# EAGLE board ControlModule-pan2 (EAGLE 7.2.0), part 6 of 9 (continued)
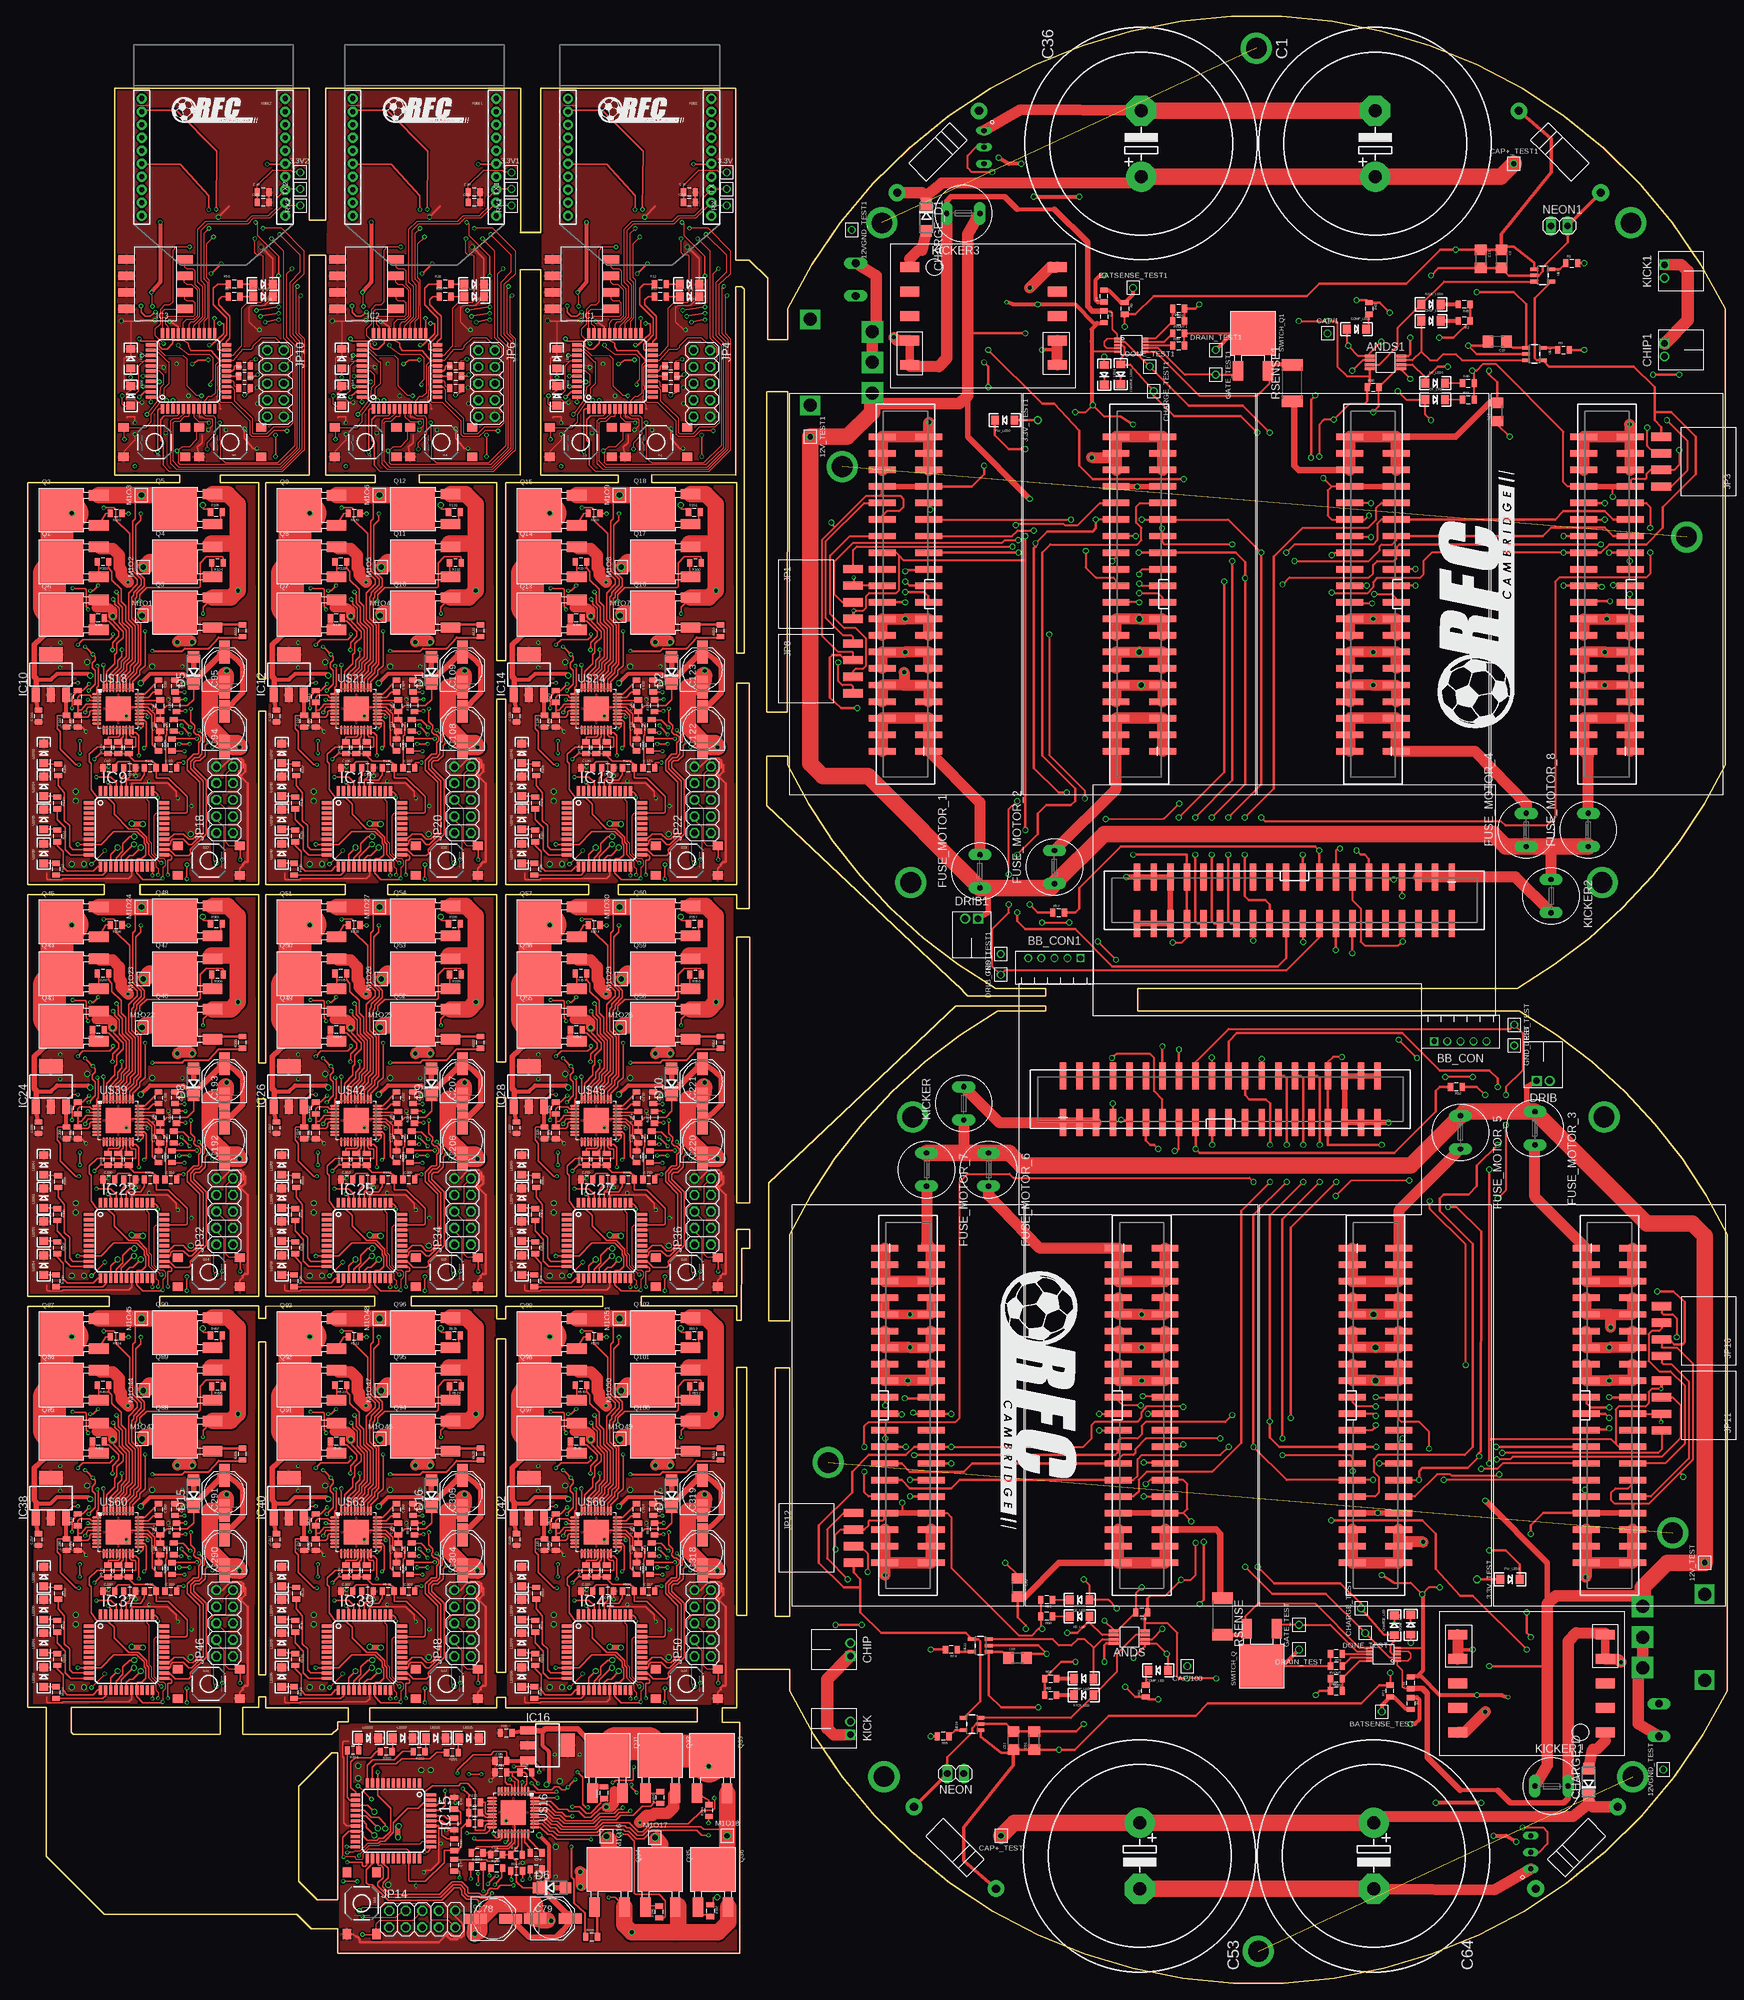
[diagram p0: board, top side]
## Tracks (layer width: path | path; a pad name or v marks a point on that pad's centre or on a via) (continued)
  Top 0.305: 84.98,149.07 84.3,149.07 Q55.SOURCE
  Top 0.813: 84.98,147.96 84.98,149.07 | Q58.DRAIN 95.62,146.85 95.62,146.69 94.08,146.69 93.99,146.77 | 93.47,146.77 93.42,146.82 93.38,146.82 | M1O28.P$1 91.13,147.11 91.36,147.01
  Top 1.422: 84.98,147.96 83.84,147.89 85.85,147.89 86.36,147.44 v86.36,146.64
  Top 2.54: 91.36,147.01 93.71,147 | 93.99,146.77 93.81,146.95 93.71,147 | 93.71,147 93.47,146.77
  Bottom 0.406: JP35.12 86.35,147.66 86.11,147.66 86.5,147.27 86.5,146.14
  Bottom 0.813: JP35.11 93.42,147.6 93.42,146.69 93.26,146.69 93,146.95 93.29,146.95 93.47,146.77 | v86.36,146.64 86.5,146.59 | 86.5,146.59 86.5,146.53 | JP35.14 86.5,146.14 86.5,146.59 | JP35.13 93.63,146.17 93.26,146.53 | 93.47,146.77 93.5,146.79 | 93.47,146.77 90.94,146.77 M1O28.P$1
  Bottom 2.54: 93.42,146.69 93.26,146.53 86.5,146.53
M1O30  (via drill 0.38)
  Top 0.254: U$45.36 86.95,137.39 88.09,138.53 88.09,139.39 88.88,140.18 88.88,144.69 87.84,145.74 87.84,148.02 87.2,148.66 87.2,149.95 v86.94,150.34 | 84.46,157.01 Q56.SOURCE
  Top 0.813: 95.92,154.14 95.93,154.46 Q59.DRAIN | 87.31,156.07 87.31,156.02 87.34,155.99 | M1O29.P$1 91.19,154.27
  Top 1.422: 91.19,154.27 91.29,154.37 91.5,154.37
  Top 1.778: 84.46,157.01 86.37,157.01 87.31,156.07 | 87.34,155.99 87.34,154.09 87.66,153.77 87.66,152.89 v88.74,151.81
  Top 2.54: 91.5,154.37 92.07,154.94 Q59.DRAIN
  Bottom 0.254: JP35.9 94.73,151.44 94.73,151.56 | v86.94,150.34 86.71,150.12 JP35.10 | JP35.8 86.49,152.25 85.89,151.64
  Bottom 0.813: 85.89,151.64 85.89,150.94 JP35.10 | JP35.7 93.63,152.23 94.22,151.64
  Bottom 1.422: M1O29.P$1 91.04,154.12 91.04,152.58 91.35,152.89 92.23,152.89
  Bottom 1.778: v88.74,151.81 88.48,151.64
  Bottom 2.54: 85.89,151.64 88.48,151.64 94.22,151.64 94.65,151.64 94.73,151.56 | JP35.7 92.23,152.89
M1O31  (via drill 0.6)
  Top 0.254: U$45.33 88.45,136.98 89.58,138.11 | 89.58,138.11 89.58,138.12 | 96.57,162.88 96.57,162.96 94.35,165.18 | 89.58,138.11 89.58,138.79 90.25,139.47 90.25,145.24 89.26,146.24 89.26,149.51 89.55,149.81 89.55,150.27 90.73,151.44 90.73,152.27 89.41,153.58 89.41,161.19 89.8,161.58 89.8,163.99 89.93,164.12 90.69,164.12 90.82,164.25 90.82,165.14 M1O30.P$1
  Top 0.813: 94.35,165.18 96.57,165.18 | 96.57,162.88 96.09,162.88 Q60.DRAIN | v98.57,142.66 98.41,142.82
  Top 1.676: 98.41,142.82 96.45,142.82 v96.28,142.66
  Top 2.54: Q57.SOURCE M1O30.P$1 94.35,165.18
  Bottom 0.254: 88.06,142.72 87.82,142.52 85.27,142.52 85.61,142.18 85.61,140.3 86.37,140.3 JP35.18
  Bottom 0.61: 90.69,165.1 M1O30.P$1
  Bottom 0.813: v96.28,142.66 94.15,142.66 | 94.15,142.66 93.69,142.66 JP35.15 | JP35.17 94.5,140.18 94.56,140.25 94.56,140.7 94.53,140.73 | 94.45,142.08 94.45,142.36 94.15,142.66 | JP35.16 85.05,142.72 85,142.64
  Bottom 1.27: v98.57,142.66 99.12,143.21 99.12,143.24 | 88.06,142.72 93.57,142.72 JP35.15
  Bottom 1.422: 85,142.64 85.01,140.85 85.61,140.3
  Bottom 1.778: 99.12,143.24 99.12,143.97 97.99,145.1 97.99,162.02 94.83,165.18 M1O30.P$1 | 94.53,140.73 94.53,142 94.45,142.08
M1O44  (via drill 0.6)
  Top 0.254: U$60.39 12.11,74.93 13.35,76.17 13.35,77.51 13.67,77.82 13.67,79.22 14.62,80.17 14.62,81.09 13.16,82.62 13.11,82.88 13.15,82.88 13.15,82.87 13.15,82.95 | 13.15,82.95 | 13.15,82.95 13.15,83.33 v13.02,83.46
  Top 0.305: 11.64,85.89 10.96,85.89 Q85.SOURCE
  Top 0.813: 11.64,84.78 11.64,85.89 | Q88.DRAIN 22.27,83.66 22.27,83.51 20.73,83.51 20.65,83.59 | 20.13,83.59 20.08,83.64 20.04,83.64 | M1O43.P$1 17.79,83.93 18.02,83.83
  Top 1.422: 11.64,84.78 10.5,84.71 12.5,84.7 13.02,84.25 v13.02,83.46
  Top 2.54: 18.02,83.83 20.37,83.82 | 20.65,83.59 20.47,83.77 20.37,83.82 | 20.37,83.82 20.13,83.59
  Bottom 0.406: JP45.12 13,84.47 12.77,84.47 13.15,84.09 13.15,82.95
  Bottom 0.813: JP45.11 20.08,84.41 20.08,83.51 19.92,83.51 19.66,83.77 19.95,83.77 20.13,83.59 | v13.02,83.46 13.16,83.41 | 13.16,83.41 13.16,83.35 | JP45.14 13.15,82.95 13.16,83.41 | JP45.13 20.29,82.98 19.92,83.35 | 20.13,83.59 20.15,83.61 | 20.13,83.59 17.59,83.59 M1O43.P$1
  Bottom 2.54: 20.08,83.51 19.92,83.35 13.16,83.35
M1O45  (via drill 0.38)
  Top 0.254: U$60.36 13.61,74.21 14.75,75.35 14.75,76.2 15.54,77 15.54,81.51 14.49,82.55 14.49,84.84 13.86,85.47 13.86,86.77 v13.6,87.15 | 11.11,93.82 Q86.SOURCE
  Top 0.813: 22.58,90.96 22.58,91.27 Q89.DRAIN | 13.97,92.88 13.97,92.84 14,92.81 | M1O44.P$1 17.85,91.09
  Top 1.422: 17.85,91.09 17.94,91.18 18.15,91.18
  Top 1.778: 11.11,93.82 13.03,93.82 13.97,92.88 | 14,92.81 14,90.91 14.32,90.59 14.32,89.71 v15.4,88.63
  Top 2.54: 18.15,91.18 18.73,91.76 Q89.DRAIN
  Bottom 0.254: JP45.9 21.39,88.26 21.39,88.38 | v13.6,87.15 13.36,86.94 JP45.10 | JP45.8 13.15,89.07 12.55,88.46
  Bottom 0.813: 12.55,88.46 12.55,87.75 JP45.10 | JP45.7 20.29,89.05 20.88,88.46
  Bottom 1.422: M1O44.P$1 17.7,89.4 18,89.71 18.89,89.71
  Bottom 1.778: v15.4,88.63 15.14,88.46 | 15.14,88.46
  Bottom 2.54: 12.55,88.46 15.14,88.46 20.88,88.46 21.31,88.46 21.39,88.38 | JP45.7 18.89,89.71
M1O46  (via drill 0.6)
  Top 0.254: U$60.33 15.11,73.8 16.24,74.93 | 16.24,74.93 | 23.23,99.7 23.23,99.78 21,102 | 16.24,74.93 16.24,75.61 16.91,76.28 16.91,82.05 15.91,83.05 15.91,86.33 16.21,86.63 16.21,87.08 17.38,88.26 17.38,89.09 16.07,90.4 16.07,98.01 16.46,98.4 16.46,100.81 16.59,100.94 17.35,100.94 17.48,101.06 17.48,101.95 M1O45.P$1
  Top 0.813: 21,102 23.23,102 | 23.23,99.7 22.75,99.7 Q90.DRAIN | v25.23,79.47 v25.23,79.48 25.06,79.64
  Top 1.676: 25.06,79.64 23.1,79.64 v22.94,79.47
  Top 2.54: Q87.SOURCE M1O45.P$1 21,102
  Bottom 0.254: 14.71,79.54 14.48,79.34 11.93,79.34 12.27,79 12.27,77.12 13.02,77.12 JP45.18
  Bottom 0.61: 17.35,101.92 M1O45.P$1
  Bottom 0.813: v22.94,79.47 20.81,79.47 | 20.81,79.47 20.35,79.47 JP45.15 | JP45.17 21.16,77 21.22,77.06 21.22,77.52 21.19,77.55 | 21.11,78.9 21.11,79.17 20.81,79.47 | JP45.16 11.71,79.54 11.65,79.45
  Bottom 1.27: v25.23,79.47 25.78,80.03 25.78,80.05 | 14.71,79.54 20.23,79.54 JP45.15
  Bottom 1.422: 11.65,79.45 11.66,77.67 12.27,77.12
  Bottom 1.778: 25.78,80.05 25.78,80.79 24.65,81.92 24.65,98.84 21.48,102 M1O45.P$1 | 21.19,77.55 21.19,78.82 21.11,78.9
M1O47  (via drill 0.6)
  Top 0.254: U$63.39 48.62,74.93 49.86,76.17 49.86,77.51 50.18,77.82 50.18,79.22 51.13,80.17 51.13,81.09 49.67,82.62 49.62,82.88 49.66,82.88 49.66,82.87 49.66,82.95 49.67,82.95 49.67,83.33 v49.53,83.46
  Top 0.305: 48.15,85.89 47.47,85.89 Q91.SOURCE
  Top 0.813: 48.15,84.78 48.15,85.89 | Q94.DRAIN 58.79,83.66 58.79,83.51 57.25,83.51 57.16,83.59 | 56.64,83.59 56.59,83.64 56.55,83.64 | M1O46.P$1 54.3,83.93 54.53,83.83
  Top 1.422: 48.15,84.78 47.01,84.71 49.02,84.7 49.53,84.25 v49.53,83.46
  Top 2.54: 54.53,83.83 56.88,83.82 | 57.16,83.59 56.98,83.77 56.88,83.82 | 56.88,83.82 56.64,83.59
  Bottom 0.406: JP47.12 49.52,84.47 49.28,84.47 49.67,84.09 49.67,82.95
  Bottom 0.813: JP47.11 56.59,84.41 56.59,83.51 56.43,83.51 56.17,83.77 56.46,83.77 56.64,83.59 | v49.53,83.46 49.67,83.41 | 49.67,83.41 49.67,83.35 | JP47.14 49.67,82.95 49.67,83.41 | JP47.13 56.8,82.98 56.43,83.35 | 56.64,83.59 56.67,83.61 | 56.64,83.59 54.11,83.59 M1O46.P$1
  Bottom 2.54: 56.59,83.51 56.43,83.35 49.67,83.35
M1O48  (via drill 0.38)
  Top 0.254: U$63.36 50.12,74.21 51.26,75.35 51.26,76.2 52.05,77 52.05,81.51 51.01,82.55 51.01,84.84 50.37,85.47 50.37,86.77 v50.11,87.15 | 47.63,93.82 Q92.SOURCE
  Top 0.813: 59.09,90.96 59.1,91.27 Q95.DRAIN | 50.48,92.88 50.48,92.84 50.51,92.81 | M1O47.P$1 54.36,91.09
  Top 1.422: 54.36,91.09 54.46,91.18 54.67,91.18
  Top 1.778: 47.63,93.82 49.54,93.82 50.48,92.88 | 50.51,92.81 50.51,90.91 50.83,90.59 50.83,89.71 v51.91,88.63
  Top 2.54: 54.67,91.18 55.24,91.76 Q95.DRAIN
  Bottom 0.254: JP47.9 57.9,88.26 57.9,88.38 | v50.11,87.15 49.88,86.94 JP47.10 | JP47.8 49.66,89.07 49.06,88.46
  Bottom 0.813: 49.06,88.46 49.06,87.75 JP47.10 | JP47.7 56.8,89.05 57.39,88.46
  Bottom 1.422: M1O47.P$1 54.21,90.94 54.21,89.4 54.52,89.71 55.4,89.71
  Bottom 1.778: v51.91,88.63 51.65,88.46
  Bottom 2.54: 49.06,88.46 51.65,88.46 57.39,88.46 57.82,88.46 57.9,88.38 | JP47.7 55.4,89.71
M1O49  (via drill 0.6)
  Top 0.254: U$63.33 51.62,73.8 52.75,74.93 | 52.75,74.93 | 59.74,99.7 59.74,99.78 57.52,102 | 52.75,74.93 52.75,75.61 53.42,76.28 53.42,82.05 52.43,83.05 52.43,86.33 52.72,86.63 52.72,87.08 53.9,88.26 53.9,89.09 52.58,90.4 52.58,98.01 52.97,98.4 52.97,100.81 53.1,100.94 53.86,100.94 53.99,101.06 53.99,101.95 M1O48.P$1
  Top 0.813: 57.52,102 59.74,102 | 59.74,99.7 59.26,99.7 Q96.DRAIN | v61.74,79.47 v61.74,79.48 61.58,79.64
  Top 1.676: 61.58,79.64 59.62,79.64 v59.45,79.47
  Top 2.54: Q93.SOURCE M1O48.P$1 57.52,102
  Bottom 0.254: 51.23,79.54 50.99,79.34 48.44,79.34 48.78,79 48.78,77.12 49.54,77.12 JP47.18
  Bottom 0.61: 53.86,101.92 M1O48.P$1
  Bottom 0.813: v59.45,79.47 57.32,79.47 | 57.32,79.47 56.86,79.47 JP47.15 | JP47.17 57.67,77 57.73,77.06 57.73,77.52 57.7,77.55 | 57.62,78.9 57.62,79.17 57.32,79.47 | JP47.16 48.22,79.54 48.17,79.45
  Bottom 1.27: v61.74,79.47 62.29,80.03 62.29,80.05 | 51.23,79.54 56.74,79.54 JP47.15
  Bottom 1.422: 48.17,79.45 48.18,77.67 48.78,77.12
  Bottom 1.778: 62.29,80.05 62.29,80.79 61.16,81.92 61.16,98.84 58,102 M1O48.P$1 | 57.7,77.55 57.7,78.82 57.62,78.9
M1O50  (via drill 0.6)
  Top 0.254: U$66.39 85.45,74.93 86.69,76.17 86.69,77.51 87.01,77.82 87.01,79.22 87.96,80.17 87.96,81.09 86.5,82.62 86.45,82.88 86.49,82.88 86.49,82.87 86.49,82.95 86.5,82.95 86.5,83.33 v86.36,83.46
  Top 0.305: 84.98,85.89 84.3,85.89 Q97.SOURCE
  Top 0.813: 84.98,84.78 84.98,85.89 | Q100.DRAIN 95.62,83.66 95.62,83.51 94.08,83.51 93.99,83.59 | 93.47,83.59 93.42,83.64 93.38,83.64 | M1O49.P$1 91.13,83.93 91.36,83.83
  Top 1.422: 84.98,84.78 83.84,84.71 85.85,84.7 86.36,84.25 v86.36,83.46
  Top 2.54: 91.36,83.83 93.71,83.82 | 93.99,83.59 93.81,83.77 93.71,83.82 | 93.71,83.82 93.47,83.59
  Bottom 0.406: JP49.12 86.35,84.47 86.11,84.47 86.5,84.09 86.5,82.95
  Bottom 0.813: JP49.11 93.42,84.41 93.42,83.51 93.26,83.51 93,83.77 93.29,83.77 93.47,83.59 | v86.36,83.46 86.5,83.41 | 86.5,83.41 86.5,83.35 | JP49.14 86.5,82.95 86.5,83.41 | JP49.13 93.63,82.98 93.26,83.35 | 93.47,83.59 93.5,83.61 | 93.47,83.59 90.94,83.59 M1O49.P$1
  Bottom 2.54: 93.42,83.51 93.26,83.35 86.5,83.35
M1O51  (via drill 0.38)
  Top 0.254: U$66.36 86.95,74.21 88.09,75.35 88.09,76.2 88.88,77 88.88,81.51 87.84,82.55 87.84,84.84 87.2,85.47 87.2,86.77 v86.94,87.15 | 84.46,93.82 Q98.SOURCE
  Top 0.813: 95.92,90.96 95.93,91.27 Q101.DRAIN | 87.31,92.88 87.31,92.84 87.34,92.81 | M1O50.P$1 91.19,91.09
  Top 1.422: 91.19,91.09 91.29,91.18 91.5,91.18
  Top 1.778: 84.46,93.82 86.37,93.82 87.31,92.88 | 87.34,92.81 87.34,90.91 87.66,90.59 87.66,89.71 v88.74,88.63
  Top 2.54: 91.5,91.18 92.07,91.76 Q101.DRAIN
  Bottom 0.254: JP49.9 94.73,88.26 94.73,88.38 | v86.94,87.15 86.71,86.94 JP49.10 | JP49.8 86.49,89.07 85.89,88.46
  Bottom 0.813: 85.89,88.46 85.89,87.75 JP49.10 | JP49.7 93.63,89.05 94.22,88.46
  Bottom 1.422: M1O50.P$1 91.04,90.94 91.04,89.4 91.35,89.71 92.23,89.71
  Bottom 1.778: v88.74,88.63 88.48,88.46
  Bottom 2.54: 85.89,88.46 88.48,88.46 94.22,88.46 94.65,88.46 94.73,88.38 | JP49.7 92.23,89.71
M1O52  (via drill 0.6)
  Top 0.254: U$66.33 88.45,73.8 89.58,74.93 | 89.58,74.93 | 96.57,99.7 96.57,99.78 94.35,102 | 89.58,74.93 89.58,75.61 90.25,76.28 90.25,82.05 89.26,83.05 89.26,86.33 89.55,86.63 89.55,87.08 90.73,88.26 90.73,89.09 89.41,90.4 89.41,98.01 89.8,98.4 89.8,100.81 89.93,100.94 90.69,100.94 90.82,101.06 90.82,101.95 M1O51.P$1
  Top 0.813: 94.35,102 96.57,102 | 96.57,99.7 96.09,99.7 Q102.DRAIN | v98.57,79.47 v98.57,79.48 98.41,79.64
  Top 1.676: 98.41,79.64 96.45,79.64 v96.28,79.47
  Top 2.54: Q99.SOURCE M1O51.P$1 94.35,102
  Bottom 0.254: 88.06,79.54 87.82,79.34 85.27,79.34 85.61,79 85.61,77.12 86.37,77.12 JP49.18
  Bottom 0.61: 90.69,101.92 M1O51.P$1
  Bottom 0.813: v96.28,79.47 94.15,79.47 | 94.15,79.47 93.69,79.47 JP49.15 | JP49.17 94.5,77 94.56,77.06 94.56,77.52 94.53,77.55 | 94.45,78.9 94.45,79.17 94.15,79.47 | JP49.16 85.05,79.54 85,79.45
  Bottom 1.27: v98.57,79.47 99.12,80.03 99.12,80.05 | 88.06,79.54 93.57,79.54 JP49.15
  Bottom 1.422: 85,79.45 85.01,77.67 85.61,77.12
  Bottom 1.778: 99.12,80.05 99.12,80.79 97.99,81.92 97.99,98.84 94.83,102 M1O51.P$1 | 94.53,77.55 94.53,78.82 94.45,78.9
M1QA  (via drill 0.3)
  Top 0.254: v12.27,184.31 12.75,183.84 12.75,183.78 IC9.42 | v7.99,190.66 v7.99,188.76
  Bottom 0.254: v12.27,184.31 11.95,183.99 7.51,183.99 6.87,184.63 6.87,188.44 7.19,188.76 v7.99,188.76 | JP17.28 v7.99,190.66
M1QA1  (via drill 0.3)
  Top 0.254: v48.78,184.31 49.26,183.84 49.26,183.78 IC11.42 | v44.5,190.66 v44.5,188.76
  Bottom 0.254: v48.78,184.31 48.47,183.99 44.02,183.99 43.39,184.63 43.39,188.44 43.7,188.76 v44.5,188.76 | JP19.28 v44.5,190.66
M1QA2  (via drill 0.3)
  Top 0.254: v85.61,184.31 86.09,183.84 86.09,183.78 IC13.42 | v81.33,190.66 v81.33,188.76
  Bottom 0.254: v85.61,184.31 85.3,183.99 80.85,183.99 80.22,184.63 80.22,188.44 80.53,188.76 v81.33,188.76 | JP21.28 v81.33,190.66
M1QA5  (via drill 0.3)
  Top 0.254: v63.22,27.78 62.75,27.31 62.69,27.31 IC15.42 | v69.57,32.07 v67.67,32.07
  Bottom 0.254: v63.22,27.78 62.91,28.1 62.91,32.55 63.54,33.18 67.35,33.18 67.67,32.86 v67.67,32.07 | JP13.28 v69.57,32.07
M1QA7  (via drill 0.3)
  Top 0.254: v12.27,121.13 12.75,120.65 12.75,120.6 IC23.42 | v7.99,127.48 v7.99,125.57
  Bottom 0.254: v12.27,121.13 11.95,120.81 7.51,120.81 6.87,121.45 6.87,125.26 7.19,125.57 v7.99,125.57 | JP31.28 v7.99,127.48
M1QA8  (via drill 0.3)
  Top 0.254: v48.78,121.13 49.26,120.65 49.26,120.6 IC25.42 | v44.5,127.48 v44.5,125.57
  Bottom 0.254: v48.78,121.13 48.47,120.81 44.02,120.81 43.39,121.45 43.39,125.26 43.7,125.57 v44.5,125.57 | JP33.28 v44.5,127.48
M1QA9  (via drill 0.3)
  Top 0.254: v85.61,121.13 86.09,120.65 86.09,120.6 IC27.42 | v81.33,127.48 v81.33,125.57
  Bottom 0.254: v85.61,121.13 85.3,120.81 80.85,120.81 80.22,121.45 80.22,125.26 80.53,125.57 v81.33,125.57 | JP35.28 v81.33,127.48
M1QA14  (via drill 0.3)
  Top 0.254: v12.27,57.95 12.75,57.47 12.75,57.42 IC37.42 | v7.99,64.3 v7.99,62.39
  Bottom 0.254: v12.27,57.95 11.95,57.63 7.51,57.63 6.87,58.26 6.87,62.07 7.19,62.39 v7.99,62.39 | JP45.28 v7.99,64.3
M1QA15  (via drill 0.3)
  Top 0.254: v48.78,57.95 49.26,57.47 49.26,57.42 IC39.42 | v44.5,64.3 v44.5,62.39
  Bottom 0.254: v48.78,57.95 48.47,57.63 44.02,57.63 43.39,58.26 43.39,62.07 43.7,62.39 v44.5,62.39 | JP47.28 v44.5,64.3
M1QA16  (via drill 0.3)
  Top 0.254: v85.61,57.95 86.09,57.47 86.09,57.42 IC41.42 | v81.33,64.3 v81.33,62.39
  Bottom 0.254: v85.61,57.95 85.3,57.63 80.85,57.63 80.22,58.26 80.22,62.07 80.53,62.39 v81.33,62.39 | JP49.28 v81.33,64.3
M1QA-1
  Top 0.305: JP16.3 250.68,100.49 250.28,100.1 249.17,100.1 248.69,99.62 248.69,95.49 250.28,93.91 252.03,93.91 254.22,91.72 254.22,82.76 251.23,79.78 MOTOR1.28
M1QA-2  (via drill 0.6)
  Top 0.305: JP11.3 252.35,89.94 253.58,88.7 253.58,83.72 250.68,80.81 227.82,80.81 227.42,80.41 v225.36,80.41 | v207.34,79.78 MOTOR2.28
  Bottom 0.305: v225.36,80.41 222.42,83.35 212.42,83.35 211.39,84.38 209.96,84.38 208.93,83.35 208.93,81.37 v207.34,79.78
M1QA-3  (via drill 0.6)
  Top 0.305: JP12.3 127.73,67.08 128.84,65.97 v128.84,63.11 | v171.22,79.94 174.32,79.94 MOTOR3.28
  Bottom 0.305: v128.84,63.11 128.84,64.54 129.16,64.86 142.17,64.86 161.54,84.22 163.6,84.22 163.92,83.91 170.11,83.91 171.22,82.79 v171.22,79.94
M1QA-4  (via drill 0.6)
  Top 0.406: v141.7,79.78 MOTOR4.28
  Bottom 0.406: JP15.3 132.81,109.62 139.79,102.64 139.79,91.21 142.97,88.03 142.97,86.76 141.7,85.49 139.16,85.49 138.52,84.86 138.52,82.95 v141.7,79.78
M1QA-5  (via drill 0.6)
  Top 0.406: v235.61,222.08 MOTOR8.28
  Bottom 0.406: JP7.3 244.5,192.24 237.52,199.22 237.52,210.65 234.34,213.83 234.34,215.1 235.61,216.37 238.15,216.37 238.79,217 238.79,218.91 v235.61,222.08
M1QA-6  (via drill 0.6)
  Top 0.305: JP3.3 249.58,234.78 248.47,235.89 v248.47,238.75 | v206.09,221.92 202.99,221.92 MOTOR7.28
  Bottom 0.305: v248.47,238.75 248.47,237.32 248.15,237 235.14,237 215.77,217.64 213.71,217.64 213.39,217.95 207.2,217.95 206.09,219.07 v206.09,221.92
M1QA-7  (via drill 0.6)
  Top 0.305: JP1.3 124.96,211.92 123.73,213.16 123.73,218.15 126.63,221.05 149.49,221.05 149.89,221.45 v151.95,221.45 | v169.97,222.08 MOTOR6.28
  Bottom 0.305: v151.95,221.45 154.89,218.51 164.89,218.51 165.92,217.48 167.35,217.48 168.38,218.51 168.38,220.49 v169.97,222.08
M1QA-8
  Top 0.305: JP8.3 126.63,201.37 127.03,201.76 128.14,201.76 128.62,202.24 128.62,206.37 127.03,207.95 125.28,207.95 123.09,210.14 123.09,219.1 126.08,222.08 MOTOR5.28
M1QB  (via drill 0.3)
  Top 0.254: IC9.41 13.53,184.32 12.75,185.11 v10.53,185.11
  Bottom 0.254: JP17.32 11,185.58 v10.53,185.11
M1QB1  (via drill 0.3)
  Top 0.254: IC11.41 50.04,184.32 49.26,185.11 v47.04,185.11
  Bottom 0.254: JP19.32 47.51,185.58 v47.04,185.11
M1QB2  (via drill 0.3)
  Top 0.254: IC13.41 86.87,184.32 86.09,185.11 v83.87,185.11
  Bottom 0.254: JP21.32 84.34,185.58 v83.87,185.11
M1QB5  (via drill 0.3)
  Top 0.254: IC15.41 63.24,26.53 64.02,27.31 v64.02,29.53
  Bottom 0.254: JP13.32 64.49,29.05 v64.02,29.53
M1QB7  (via drill 0.3)
  Top 0.254: IC23.41 13.53,121.14 12.75,121.92 v10.53,121.92
  Bottom 0.254: JP31.32 11,122.4 v10.53,121.92
M1QB8  (via drill 0.3)
  Top 0.254: IC25.41 50.04,121.14 49.26,121.92 v47.04,121.92
  Bottom 0.254: JP33.32 47.51,122.4 v47.04,121.92
M1QB9  (via drill 0.3)
  Top 0.254: IC27.41 86.87,121.14 86.09,121.92 v83.87,121.92
  Bottom 0.254: JP35.32 84.34,122.4 v83.87,121.92
M1QB14  (via drill 0.3)
  Top 0.254: IC37.41 13.53,57.96 12.75,58.74 v10.53,58.74
  Bottom 0.254: JP45.32 11,59.22 v10.53,58.74
M1QB15  (via drill 0.3)
  Top 0.254: IC39.41 50.04,57.96 49.26,58.74 v47.04,58.74
  Bottom 0.254: JP47.32 47.51,59.22 v47.04,58.74
M1QB16  (via drill 0.3)
  Top 0.254: IC41.41 86.87,57.96 86.09,58.74 v83.87,58.74
  Bottom 0.254: JP49.32 84.34,59.22 v83.87,58.74
M1QB-1
  Top 0.305: JP16.1 250.68,95.26 250.92,95.02 252.19,95.02 254.85,92.35 254.85,80.54 249.01,74.7 MOTOR1.32
M1QB-2  (via drill 0.6)
  Top 0.305: JP11.1 250.68,81.92 250.12,81.37 v226.23,81.37 | v225.76,78.11 225.52,77.87 218.45,77.87 218.21,78.11 216.23,78.11 212.82,74.7 MOTOR2.32
  Bottom 0.305: v226.23,81.37 226.98,80.62 226.98,79.33 v225.76,78.11
M1QB-3  (via drill 0.6)
  Top 0.305: JP12.1 125.19,72.16 122.65,69.62 122.65,65.17 v125.82,62 | v171.22,74.7 MOTOR3.32
  Bottom 0.305: v125.82,62 129.63,62 130.27,62.63 130.27,63.9 130.74,64.38 142.49,64.38 161.7,83.59 163.45,83.59 163.76,83.27 169.8,83.27 170.59,82.48 170.59,80.73 170.27,80.41 170.27,79.46 170.75,78.98 170.75,75.17 v171.22,74.7
M1QB-4  (via drill 0.6)
  Top 0.406: v135.35,74.7 MOTOR4.32
  Bottom 0.406: JP15.1 135.35,104.54 137.25,102.64 137.25,76.6 v135.35,74.7
M1QB-5  (via drill 0.6)
  Top 0.406: v241.96,227.16 MOTOR8.32
  Bottom 0.406: JP7.1 241.96,197.32 240.06,199.22 240.06,225.26 v241.96,227.16
M1QB-6  (via drill 0.6)
  Top 0.305: JP3.1 252.12,229.7 254.66,232.24 254.66,236.69 v251.49,239.86 | v206.09,227.16 MOTOR7.32
  Bottom 0.305: v251.49,239.86 247.68,239.86 247.04,239.23 247.04,237.96 246.57,237.48 234.82,237.48 215.61,218.27 213.86,218.27 213.55,218.59 207.51,218.59 206.72,219.38 206.72,221.13 207.04,221.45 207.04,222.4 206.56,222.88 206.56,226.69 v206.09,227.16
M1QB-7  (via drill 0.6)
  Top 0.305: JP1.1 126.63,219.94 127.19,220.49 v151.08,220.49 | v151.56,223.75 151.79,223.99 158.86,223.99 159.1,223.75 161.08,223.75 164.49,227.16 MOTOR6.32
  Bottom 0.305: v151.08,220.49 150.33,221.24 150.33,222.53 v151.56,223.75
M1QB-8
  Top 0.305: JP8.1 126.63,206.6 126.39,206.84 125.12,206.84 122.46,209.51 122.46,221.32 128.3,227.16 MOTOR5.32
MISO  (via drill 0.6)
  Top 0.305: MOTOR5.27 151,222.08 151.87,222.96 v154.33,222.96 | v174.02,223.27 174.02,222.16 MOTOR6.27 174.1,221.13 174.42,220.81 v184.81,220.81 | v194.34,218.27 205.77,218.27 207.44,219.94 207.44,220.57 207.67,220.81 209.34,220.81 209.98,221.45 209.97,221.45 MOTOR7.27
  Top 0.406: COM_BOARD1.32 179.49,162.63 179.1,163.03 v179.1,173.19 | v179.1,178.9 184.81,184.62 v184.81,218.27 | MOTOR8.27 243.23,222.08 241.96,223.35 233.71,223.35 232.44,222.08 MOTOR7.27
  Bottom 0.305: v154.33,222.96 173.78,222.96 v174.02,223.27 | v184.81,218.27 v184.81,220.81 194.34,220.81 194.97,220.18 194.97,218.91 v194.34,218.27
  Bottom 0.406: v179.1,173.19 v179.1,178.9
MISO1
  Top 0.254: IC1.16 R18.1
MISO2
  Top 0.254: IC2.16 R30.1
MISO3
  Top 0.254: IC3.16 R58.1
MISO4  (via drill 0.6)
  Top 0.305: MOTOR1.27 226.31,79.78 225.44,78.91 v222.98,78.91 | v203.29,78.59 203.29,79.7 MOTOR2.27 203.21,80.73 202.9,81.05 v192.5,81.05 | v182.97,83.59 171.54,83.59 169.88,81.92 169.88,81.29 169.64,81.05 167.97,81.05 167.34,80.41 MOTOR3.27
  Top 0.406: COM_BOARD.32 197.82,139.23 198.21,138.83 v198.21,128.67 | v198.21,122.96 192.5,117.24 v192.5,83.59 | MOTOR4.27 134.08,79.78 135.35,78.51 143.6,78.51 144.87,79.78 MOTOR3.27
  Bottom 0.305: v222.98,78.91 203.53,78.91 v203.29,78.59 | v192.5,83.59 v192.5,81.05 182.97,81.05 182.34,81.68 182.34,82.95 v182.97,83.59
  Bottom 0.406: v198.21,128.67 v198.21,122.96
MISO6  (via drill 0.6)
  Top 0.254: IC15.16 51.83,25.73 53.7,23.86 v53.7,23.77
  Bottom 0.254: R190.1 62.43,14.89 65.16,14.89 65.6,14.45 65.6,13.34 65.13,12.86 57.67,12.86 56.56,13.97 56.56,16.35 55.58,17.33 55.58,22.49 55.29,22.78 54.41,22.78 53.7,23.5 v53.7,23.77
MISO8  (via drill 0.6)
  Top 0.254: IC9.16 14.33,172.92 16.2,174.79 v16.28,174.79
  Bottom 0.254: R98.1 25.16,183.52 25.16,186.25 25.61,186.69 26.72,186.69 27.19,186.22 27.19,178.76 26.08,177.64 23.7,177.64 22.73,176.67 17.57,176.67 17.27,176.37 17.27,175.5 16.56,174.79 v16.28,174.79
MISO9  (via drill 0.6)
  Top 0.254: IC11.16 50.84,172.92 52.71,174.79 v52.8,174.79
  Bottom 0.254: R126.1 61.67,183.52 61.67,186.25 62.12,186.69 63.23,186.69 63.71,186.22 63.71,178.76 62.6,177.64 60.21,177.64 59.24,176.67 54.08,176.67 53.78,176.37 53.78,175.5 53.07,174.79 v52.8,174.79
MISO10  (via drill 0.6)
  Top 0.254: IC13.16 87.67,172.92 89.54,174.79 v89.63,174.79
  Bottom 0.254: R154.1 98.5,183.52 98.5,186.25 98.95,186.69 100.06,186.69 100.54,186.22 100.54,178.76 99.43,177.64 97.04,177.64 96.07,176.67 90.91,176.67 90.61,176.37 90.61,175.5 89.9,174.79 v89.63,174.79
MISO15  (via drill 0.6)
  Top 0.254: IC23.16 14.33,109.74 16.2,111.6 v16.28,111.6
  Bottom 0.254: R294.1 25.16,120.34 25.16,123.07 25.61,123.51 26.72,123.51 27.19,123.03 27.19,115.57 26.08,114.46 23.7,114.46 22.73,113.49 17.57,113.49 17.27,113.19 17.27,112.32 16.56,111.6 v16.28,111.6
MISO16  (via drill 0.6)
  Top 0.254: IC25.16 50.84,109.74 52.71,111.6 v52.8,111.6
  Bottom 0.254: R322.1 61.67,120.34 61.67,123.07 62.12,123.51 63.23,123.51 63.71,123.03 63.71,115.57 62.6,114.46 60.21,114.46 59.24,113.49 54.08,113.49 53.78,113.19 53.78,112.32 53.07,111.6 v52.8,111.6
MISO17  (via drill 0.6)
  Top 0.254: IC27.16 87.67,109.74 89.54,111.6 v89.63,111.6
  Bottom 0.254: R350.1 98.5,120.34 98.5,123.07 98.95,123.51 100.06,123.51 100.54,123.03 100.54,115.57 99.43,114.46 97.04,114.46 96.07,113.49 90.91,113.49 90.61,113.19 90.61,112.32 89.9,111.6 v89.63,111.6
MISO22  (via drill 0.6)
  Top 0.254: IC37.16 14.33,46.55 16.2,48.42 v16.28,48.42
  Bottom 0.254: R490.1 25.16,57.15 25.16,59.88 25.61,60.33 26.72,60.33 27.19,59.85 27.19,52.39 26.08,51.28 23.7,51.28 22.73,50.31 17.57,50.31 17.27,50.01 17.27,49.13 16.56,48.42 v16.28,48.42
MISO23  (via drill 0.6)
  Top 0.254: IC39.16 50.84,46.55 52.71,48.42 v52.8,48.42
  Bottom 0.254: R518.1 61.67,57.15 61.67,59.88 62.12,60.33 63.23,60.33 63.71,59.85 63.71,52.39 62.6,51.28 60.21,51.28 59.24,50.31 54.08,50.31 53.78,50.01 53.78,49.13 53.07,48.42 v52.8,48.42
MISO24  (via drill 0.6)
  Top 0.254: IC41.16 87.67,46.55 89.54,48.42 v89.63,48.42
  Bottom 0.254: R546.1 98.5,57.15 98.5,59.88 98.95,60.33 100.06,60.33 100.54,59.85 100.54,52.39 99.43,51.28 97.04,51.28 96.07,50.31 90.91,50.31 90.61,50.01 90.61,49.13 89.9,48.42 v89.63,48.42
MOSI  (via drill 0.58, 0.6)
  Top 0.305: v192.51,214.67 193.58,215.73 205.77,215.73 206.4,216.37 206.4,217.64 207.04,218.27 209.58,218.27 209.9,218.59 209.98,218.59 209.97,218.59 MOTOR7.25
  Top 0.406: COM_BOARD1.30 182.03,162.63 181.64,163.03 v181.64,173.19 | v181.64,178.9 186.77,184.03 v186.77,215.63 186.77,218.07 185.3,219.54 MOTOR6.25 v170.45,219.54 | MOTOR5.25 v152,219.54 | MOTOR8.25 v242.6,219.54 | v241.33,220.81 210.45,220.81 210.05,220.42 210.05,219.62 MOTOR7.25
  Bottom 0.406: v181.64,173.19 v181.64,178.9 | v192.51,214.67 188.32,214.67 187.35,215.63 v186.77,215.63 | v152,219.54 153.9,217.64 164.81,217.64 165.68,216.76 167.67,216.76 v170.45,219.54 | v242.6,219.54 v241.33,220.81
MOSI1
  Top 0.178: R19.1 97.22,245.04 97.06,245.2 97.06,245.67 96.9,245.83 95.88,245.83
  Top 0.254: 95.88,245.83 IC1.15
MOSI2
  Top 0.178: R31.1 64.2,245.04 64.04,245.2 64.04,245.67 63.88,245.83 62.86,245.83
  Top 0.254: 62.86,245.83 IC2.15
MOSI3
  Top 0.178: R59.1 31.81,245.04 31.65,245.2 31.65,245.67 31.49,245.83 30.48,245.83
  Top 0.254: 30.48,245.83 IC3.15
MOSI4  (via drill 0.58, 0.6)